# KiCad board everestCM4.kicad_pcb (continued)
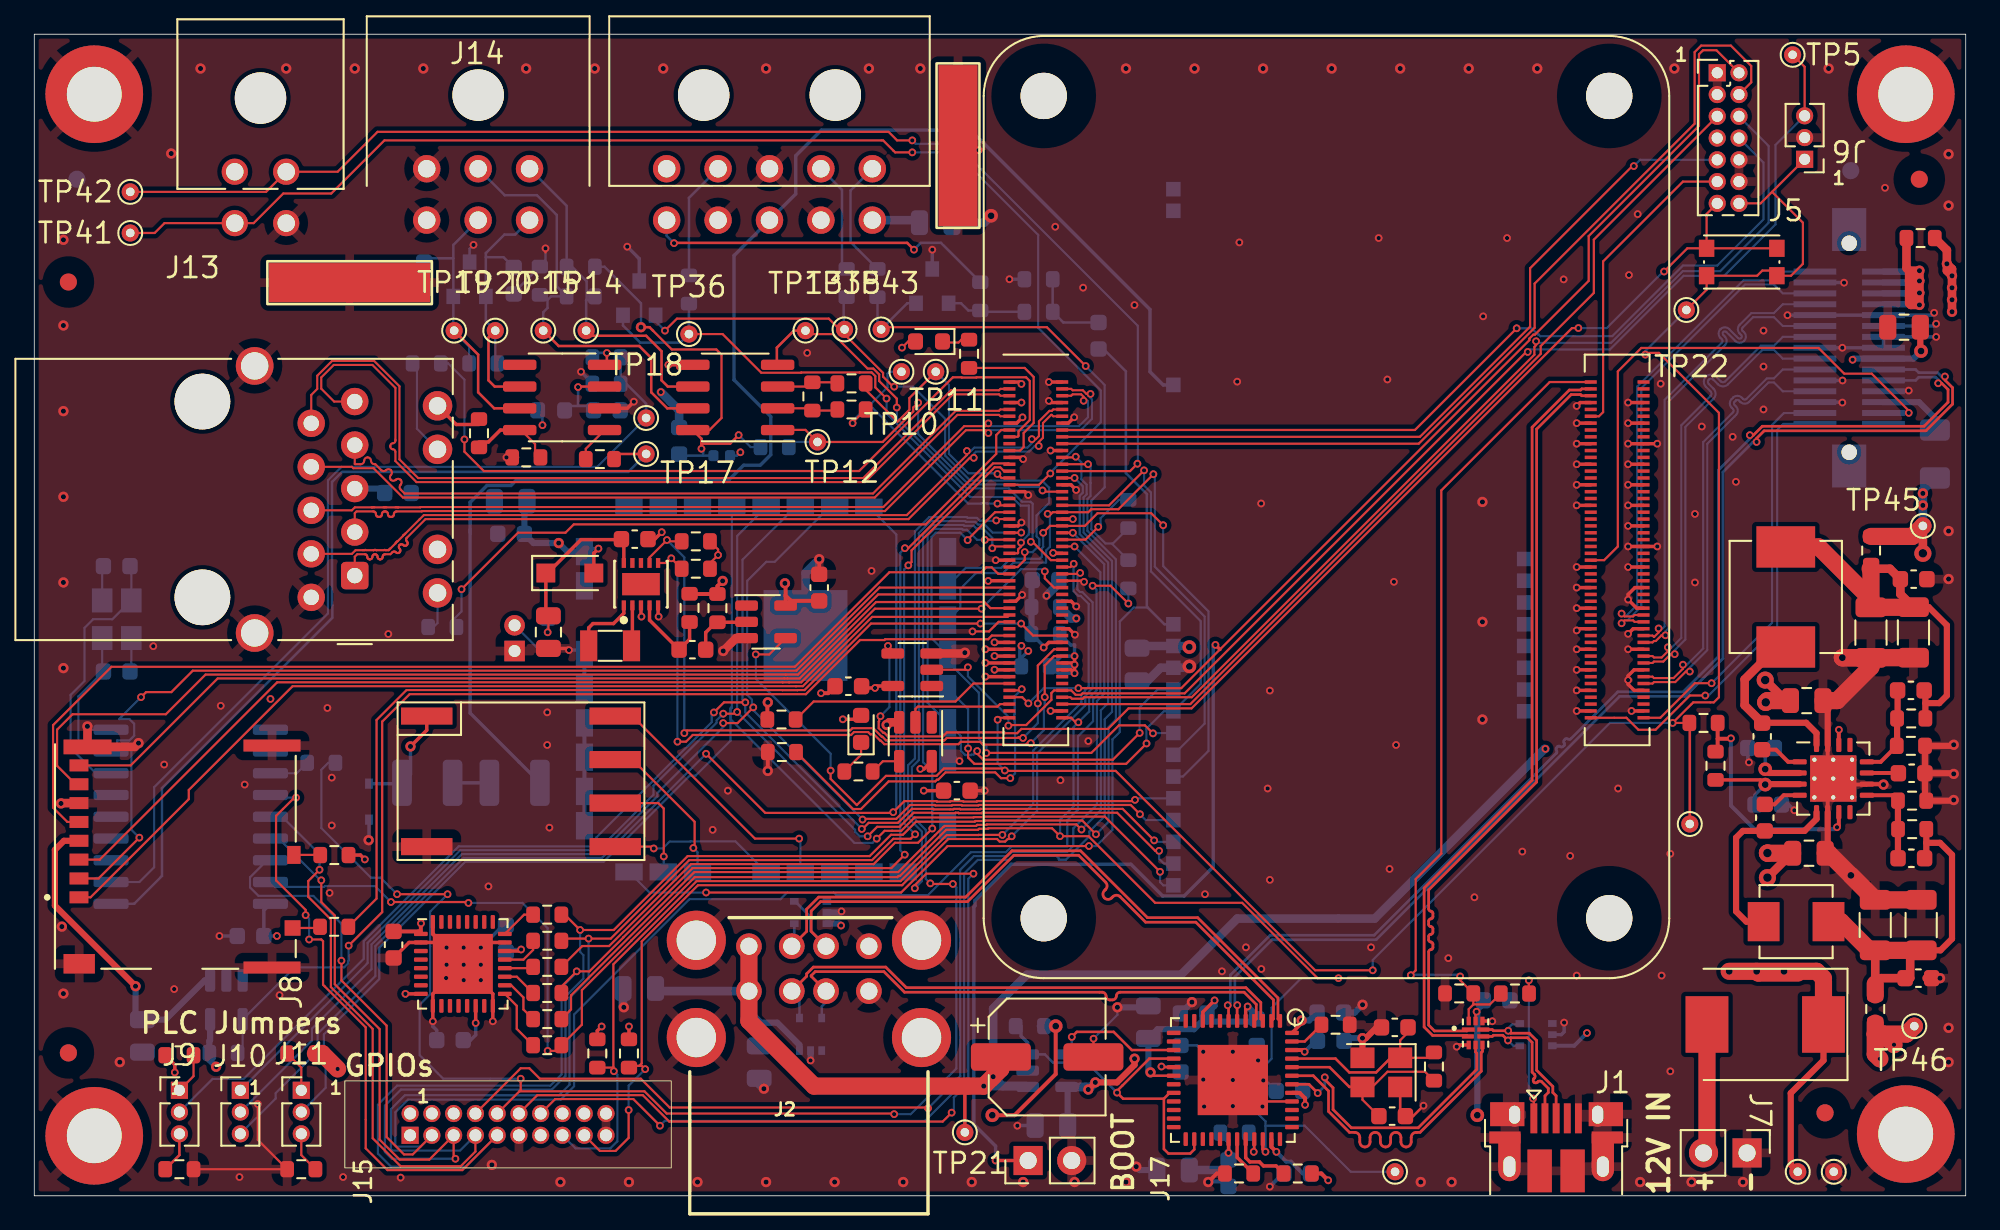
[diagram p0: board, top side]
## Routing (per net, layer and track width the routed paths; a pad name or vN(x,y) marks a point on that pad's centre or on a via; arc(x,y) is an arc through that point) (continued)
Net-(BT1-Pad2): length 2.5
  Bottom w0.127: R7.1 29.31,32.02 BT1.2
Net-(C2-Pad1): length 11.1
  Top w0.127: R36.1 81.35,8.05 Y1.1 79.7,9.08 80.16,9.53 C2.1
  Top w0.147: U2.45 75.93,8 76.73,7.2 78.3,7.2 79.15,8.05 Y1.1
Net-(C5-Pad1): length 11.4
  Top w0.127: C5.1 77.5,5.6 Y1.3 78.07,6.35 78.96,7.24 81.15,7.24 R36.2
  Top w0.147: U2.44 75.58,7.5 76.73,6.35 Y1.3
Net-(C17-Pad1): length 10.9
  Top w0.127: 29.85,34 C40.1 30,32.94 v1(29.96,32.89)
  Top w0.2: U5.10 34.4,38.14 34.24,38.3 31.9,38.3 29.95,36.35 D1.1 29.85,34
  Bottom w0.127: R7.2 v1(29.96,32.89)
Net-(C20-Pad1): length 3.6
  Top w0.2: C20.1 39.18,32.88 39.78,33.47 41.54,33.47 U7.2
Net-(C26-Pad2): length 4.8
  Bottom w0.147: 59.42,53.5 59.42,51.6 60.05,50.97 C26.2
Net-(C28-Pad2): length 2.2
  Bottom w0.2: C28.2 C29.1
Net-(C29-Pad2): length 6.4
  Top w0.2: T1.1 22.9,27.17 v2(21.95,26.23)
  Bottom w0.2: v2(21.95,26.23) 21.95,24.6 21.41,24.05 D9.2
Net-(C30-Pad1): length 24.2
  Top w0.36: R38.1 110.4,20.6 ; 110.4,20.6 111.2,20.6 111.9,19.9 111.9,15 111.23,14.33 C41.1 ; 110.4,20.6 110.4,19.8 C30.1
  Top w0.5: C41.1 109.13,14.33 109.1,14.3 109.46,13.94 109.46,12.7 107.76,12.7 107.42,12.36 C31.1
  Top w1: L4.1 105.42,16 107.1,14.33 C31.1 C41.1 ; R11.1 107.42,12.36
Net-(C30-Pad2): length 5.3
  Top w0.23: 108.74,23.06 108.43,23.38 U11.9
  Top w0.36: C30.2 108.74,19.7 108.74,23.06
Net-(C32-Pad1): length 2.3
  Top w0.23: U11.4 102.08,23.38 101.55,22.85 C32.1
Net-(C32-Pad2): length 11.7
  Top w0.36: L4.2 99.9,16 99.3,16.6 99.3,20.9 99.7,21.3 103.3,21.3 103.99,21.99 U11.5
Net-(C35-Pad1): length 1.8
  Top w0.23: U11.11 108.76,24.68 C35.1
Net-(C37-Pad1): length 2.5
  Top w0.23: C37.1 101.63,26.04 102.34,25.33 U11.1
Net-(C37-Pad2): length 10.3
  Top w0.36: U11.16 103.99,27 103.39,27.61 100.82,27.61
  Top w0.5: 100.82,27.61 99.8,28.63 99.8,30.14 101.69,32.03 L5.1
Net-(C38-Pad1): length 25
  Top w0.36: 110.35,28.75 111.16,28.75 111.6,29.2 111.6,33.3 110.54,34.36 C42.1 ; 110.35,28.75 110.35,29.43 C39.1 ; 110.35,28.75 R60.1
  Top w0.5: 107.12,36.6 108.28,36.6 C45.1 108.89,35.12 C42.1
  Top w1: C38.1 107.17,34.83 104.13,37.87 L5.2 ; C38.1 107.17,36.55 107.12,36.6 ; C38.1 109.64,34.35 C42.1
Net-(C39-Pad2): length 5.4
  Top w0.23: U11.12 107.74,25.33 R61.1
  Top w0.36: R61.1 108.7,26.28 R60.2 108.73,27.89 C39.2
Net-(C43-Pad1): length 5.5
  Top w0.2: Module2.78 59.2,32.3 v1(58.9,32)
  Bottom w0.2: v1(58.9,32) 58.9,32.08 R57.2
  Bottom w0.36: R57.2 58.19,34.36 R56.2 58.19,35.89 58.24,35.94
Net-(C46-Pad2): length 1.8
  Top w0.23: v1(74.13,8.41) 74.03,8.5 U2.46
  Bottom w0.23: C46.2 74.76,9.04 v1(74.13,8.41)
Net-(C47-Pad2): length 2
  Top w0.147: v1(65.77,7.54) 65.81,7.5 U2.17
  Bottom w0.147: C47.2 66.57,7.54 v1(65.77,7.54)
Net-(C48-Pad1): length 15.7
  Bottom w0.127: C48.1 5.66,36.68 Y3.1 4.56,33.65 3.43,33.65 2.93,33.15 2.93,30.05 2.12,29.23 2.12,26.14 3.59,24.66 U17.7
Net-(C49-Pad1): length 8.9
  Bottom w0.127: Y3.3 3.96,30.68 C49.1 2.58,29.15 2.58,26.44 3.08,25.93 U17.8
Net-(C54-Pad1): length 23.7
  Top w0.13: 38.42,44.69 39.39,44.69 40.1,45.4 40.1,49.1 39.8,49.4 37.2,49.4 36.1,50.5
  Top w0.147: v1(41.1,44.4) 40.61,43.91 38.93,43.91 ; v1(38.93,43.61) 38.93,43.91 ; 38.93,43.91 38.93,44.19 38.42,44.69 ; 36.1,50.5 35.9,50.7 v2(35.4,50.7)
  Bottom w0.127: R48.1 41.8,43.7 v1(41.1,44.4)
  Bottom w0.147: R49.1 33.27,54.23 35.4,52.1 v2(35.4,50.7) ; v1(38.93,43.61) 39.03,43.51 39.03,43.2 ; L2.2 39.03,43.2 ; 39.03,43.2 37.72,43.2 C54.1
Net-(C58-Pad2): length 4.6
  Top w0.147: v1(31.73,47.2) 31.76,47.23 33.28,47.23
  Bottom w0.147: 31.73,46.11 31.21,46.11 L3.1 ; 31.73,46.11 32.38,46.11 C58.2 ; 31.73,46.11 v1(31.73,47.2)
Net-(C63-Pad1): length 1.9
  Bottom w0.36: U6.5 20.18,41.28 C63.1
Net-(D2-Pad1): length 1.6
  Top w0.127: R19.1 54.1,49.97 53.93,49.8 53.06,49.8 D2.1
Net-(D3-Pad1): length 2.1
  Top w0.127: R22.1 48.24,25.74 D3.1
Net-(D4-Pad2): length 7.6
  Top w1: D4.2 97.6,2.7 J7.2
Net-(J1-Pad1): length 8.9
  Top w0.127: J1.1 87.5,5.63 v1(87.45,5.68) ; v1(87.21,12.57) 87.21,11.82 R4.1
  Bottom w0.127: v1(87.45,5.68) 87.21,5.92 v1(87.21,12.57)
Net-(J3-Pad5): length 20.7
  Top w0.147: v1(51.33,55.22) 50.93,55.62 37.35,55.62 v1(37.33,55.6)
  Bottom w0.147: v1(51.33,55.22) 51.73,55.62 52.9,55.62 55.2,53.32 ; v1(37.33,55.6) 36.9,56.04 J3.5
Net-(J3-Pad6): length 7
  Bottom w0.147: R42.1 47.63,55.67 47.63,58.68 J3.6
Net-(J3-Pad7): length 6.5
  Bottom w0.147: J3.7 47.13,58.72 47.13,54.37 R43.1
Net-(J3-Pad9): length 6.9
  Bottom w0.147: J3.9 38.2,58.25 38.2,53.72
Net-(J4-Pad2): length 18.7
  Top w0.5: 109.4,52.5 109.6,52.7 v2(110,52.7) ; 109.4,52.5 109.4,53.4 ; 109.4,52.5 109.4,52.1 109.5,52 v2(110,52) v2(110,52.7) ; 109.4,54 109.4,53.4 ; 109.4,54 109.24,54.16 R37.1 ; 109.4,54 v2(110,54) ; 109.4,53.4 v2(110,53.4) ; v2(110,52.7) v2(110,53.4) ; v2(110,53.4) v2(110,54) ; v2(110,54) 109.7,53.7 109.7,52.3
  Bottom w0.36: v2(110,53.4) 109.91,53.31 J4.4 ; v2(110,52) 109.96,52.04 J4.8 ; v2(110,54) 109.95,53.95 J4.2 ; J4.6 109.98,52.67 v2(110,52.7)
Net-(J5-Pad13): length 73
  Top w0.127: v1(90.1,50.65) 89.73,50.65 67.53,28.45 63.85,28.45 62.65,27.25 57.6,27.25 57.35,27 56.65,27 56.6,27.05 53.25,27.05 53.01,26.81 49.81,26.81 49.6,27.02 49.55,27.02 49.27,27.29 49.27,27.68 49.3,27.7 49.3,27.92 v1(49.37,27.99) ; SW1.2 96.45,55.3 v1(95.1,53.95) ; SW1.2 SW1.2 ; SW1.2 97.58,57.31 J5.13 ; U8.4 50.09,31.82 v1(49.81,32.1)
  Bottom w0.127: v1(90.1,50.65) 91.75,50.65 95.05,53.95 v1(95.1,53.95) ; v1(49.81,32.1) 49.9,32.01 49.9,28.52 v1(49.37,27.99)
Net-(J8-Pad9): length 1.6
  Top w0.127: J8.9 16.61,15.63 16.68,15.7
Net-(J8-Pad10): length 1.5
  Top w0.127: R23.2 16.68,19.89 J8.10
Net-(J9-Pad1): length 2.4
  Top w0.127: J9.1 9.29,6.98 R28.1
Net-(J9-Pad3): length 2.4
  Top w0.147: R29.2 8.47,2.37 J9.3
Net-(J11-Pad1): length 2.5
  Top w0.127: J11.1 15.58,7.48 R32.1
Net-(J11-Pad3): length 2.4
  Top w0.127: 16.41,1.55 15.58,2.37 J11.3
Net-(Module2-Pad21): length 9.2
  Top w0.127: R19.2 57.79,48.32 58.31,47.79 58.31,45.11 57.73,44.53 57.73,43.7 57.53,43.5 Module2.21
Net-(R5-Pad1): length 2.4
  Top w0.2: R5.1 70.19,2.24 U2.31
Net-(R6-Pad1): length 2
  Top w0.147: U2.33 71.19,2.59 v1(71.16,2.56)
  Bottom w0.147: v1(71.16,2.56) 71.16,3.39 R6.1
Net-(R8-Pad2): length 2.1
  Top w0.147: R8.2 74.13,9 U2.47
Net-(R9-Pad1): length 3.7
  Top w0.2: R9.1 72.46,1.74 71.72,1.74 71.49,1.97 70.93,1.97 70.69,2.22 U2.32
Net-(R22-Pad2): length 1.8
  Top w0.127: U10.4 49.51,25.36 R22.2
Net-(R25-Pad2): length 5.6
  Bottom w0.127: R25.2 22.33,48.33 22.33,44.77 U6.12
Net-(R26-Pad2): length 2.1
  Bottom w0.127: U6.14 23.53,33.43 23.3,33.2
Net-(R34-Pad2): length 4.7
  Top w0.127: U22.8 28.41,44.69 29.22,43.88 29.22,43.1
  Top w0.2: 25.95,44 26.5,44 27.2,44.69 U22.8
Net-(R35-Pad1): length 2.4
  Bottom w0.127: U17.12 15.31,24.66 R35.1
Net-(R40-Pad2): length 14.2
  Top w0.23: R40.2 98.23,26.67 ; 98.23,26.67 98.23,26.05 R59.2 ; 98.23,26.67 98.98,26.67 v1(99,26.7) ; U11.7 105.3,21.62 v1(105.19,21.51)
  Bottom w0.23: v1(105.19,21.51) 105.08,21.4 100.38,21.4 99,22.78 v1(99,26.7)
Net-(R45-Pad2): length 3.7
  Top w0.13: U9.17 28.15,11.09 28.15,9.74 R45.2
Net-(R46-Pad1): length 3.6
  Top w0.127: R46.1 46.8,45.83 R68.1 45.27,45.97 U21.2
Net-(R47-Pad1): length 3.6
  Top w0.127: U21.3 45.15,47.23 R68.2 46.8,47.48 R47.1
Net-(R53-Pad2): length 2.1
  Top w0.127: 33.28,44.69 32.18,43.6 R53.2
Net-(R55-Pad2): length 1.7
  Top w0.147: v1(33.41,49.2) 33.41,48.64 33.28,48.5
  Bottom w0.147: v1(33.41,49.2) 32.82,49.2 R55.2
Net-(R63-Pad2): length 2
  Top w0.13: R63.2 28.16,12.78 U9.19
Net-(R64-Pad2): length 1.7
  Top w0.13: R64.2 29.03,13.28 U9.20
Net-(R65-Pad2): length 2.1
  Top w0.13: R65.2 28.58,16.41 U9.24
Net-(R66-Pad2): length 2.4
  Top w0.13: R66.2 29.11,14.35 28.54,13.78 U9.21
Net-(R67-Pad2): length 2.9
  Top w0.13: U9.18 27.83,12.28 28.54,11.57 28.54,10.88 R67.2
Net-(U5-Pad1): length 3.9
  Top w0.2: U5.1 34.4,34 33.8,33.4 32.6,33.4 32.35,33.15 Y2.2
Net-(U5-Pad2): length 2.4
  Top w0.2: U5.2 34.9,32.15 Y2.1

## Copper pours and planes (outline as drawn; the poured copper is in the pictures)
+3.3V on In2.Cu: 108.8,3.9 3.9,4 3.9,63.9 108.8,64
+5V on In2.Cu: 48.6,41 66.9,25.3 66.9,12.6 68,11.5 104.2,11.5 104.2,36.6 109.81,42.19 109.8,12.4 103.4,5.9 93.6,5.9 93,5.3 81.7,5.3 79.4,7.7 54.6,7.7 54.6,23.6 42,32.4 37.1,32.4 37.1,36.8 42,36.8 42,45.6 43.9,47.5 48.7,47.5
+12V on In2.Cu: 108.9,63.6 109,42 103.6,36.6 103.7,12.1 97.4,12.1 97.4,28 100,30.7 100,41.5 101.9,43.5 105.5,43.5 105.5,50.1 100.9,54.6 47.6,54.6 47.6,63.5 87,63.6
GND on Top, Bottom, In1.Cu: 112.7,0 0,0 0,67.8 112.7,67.8
GND on In2.Cu: 112.7,0 0,0 0,67.8 112.7,67.8 ; 1 cut-out
GND on In2.Cu: 105.2,43.9 101.7,43.9 99.4,41.5 99.45,29.79 97.22,27.41 96.96,26.8 96.91,12.11 70.8,11.96 70.8,10.9 70.4,10.5 69.4,10.5 69,10.9 69,13.1 71.7,15.8 77.8,15.8 92.5,30.5 92.5,47.5 99.4,54.5 100.7,54.5 105.2,50

## Text on the board
B.Silkscreen: Yak R2A - TT/CC / Pionix GmbH 08/2022
User.Drawings: Display board outline | F.Silkscreen | F.Paste | F.Mask | F.Cu | Dielectric 1 | In1.Cu | Dielectric 2 | In2.Cu | Dielectric 3 | B.Cu | B.Mask | B.Paste | B.Silkscreen | Top Silk Screen | Top Solder Paste | Top Solder Mask | copper | core | prepreg | Bottom Solder Mask | Bottom Solder Paste | Bottom Silk Screen | Not specified | FR4 | 0 mm | 0.01 mm | 0.035 mm | 0.14 mm | 1.2 mm | 1 | 3.3 | 3.95 | 0 | 0.02 | Copper Layer Count: | Board overall dimensions: | Min track/spacing: | Copper Finish: | Castellated pads: | Edge card connectors: | 4 | 112.7500 mm x 67.8500 mm | 0.1000 mm / 0.0000 mm | None | No | Impedance Control: | Board Thickness: | Min hole diameter: | Plated Board Edge: | 0.2500 mm | 1.6400 mm | Layer Name | Type | Material | Thickness (mm) | Color | Epsilon R | Loss Tangent | BOARD CHARACTERISTICS
F.Silkscreen: 1 | + | - | PLC Jumpers | GPIOs | BOOT | 12V IN
